# Altium PCB PCB2.PcbDoc (part 3 of 3)
Units mil, origin at the board's own origin, x right, y up, seen from the top; angles counter-clockwise.
Board outline 2125.98 x 2755.91 mil, 4 copper layers (Top Layer, Int1 (GND), Int2 (PWR), Bottom Layer), stack 53.912 mil thick; 200 components, 145 nets, 834 pads, 425 vias.
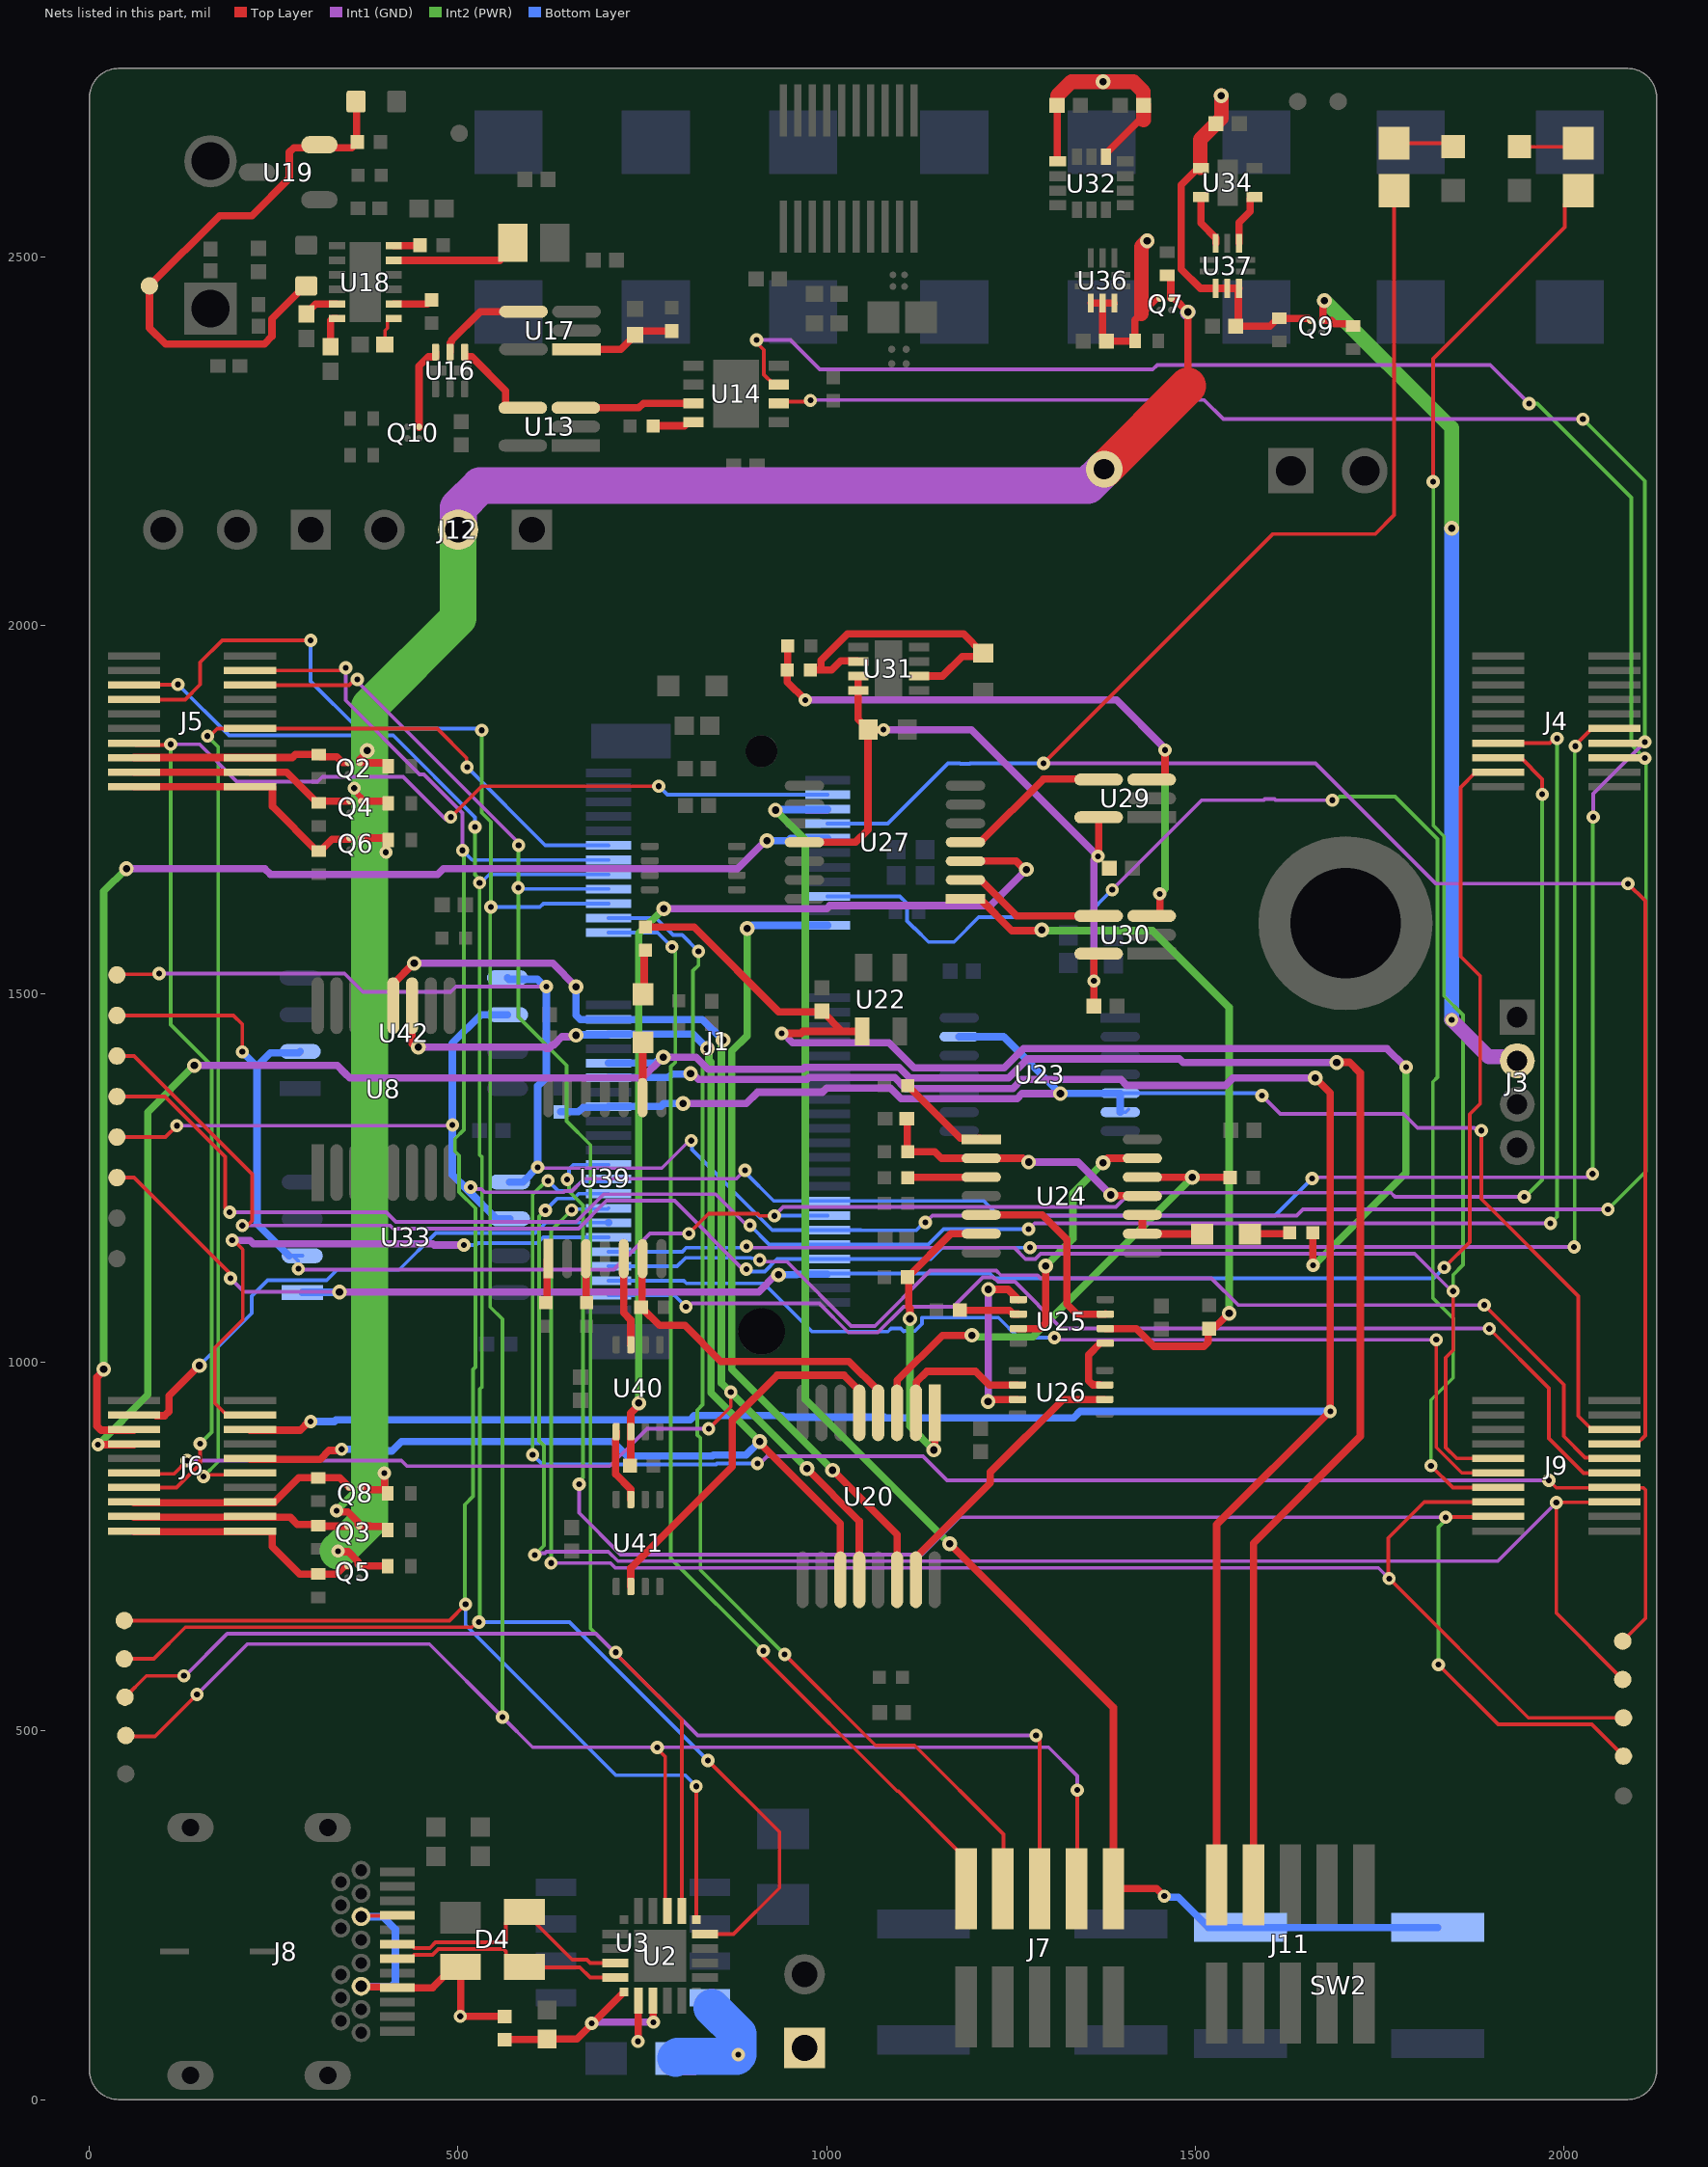
[diagram p5: the nets of this part, all layers, seen from the top]

## Via types
v1: diameter 18, hole 8, Top Layer to Bottom Layer, tented both sides, 280 vias
v2: diameter 20, hole 10, Top Layer to Bottom Layer, 89 vias
v3: diameter 18, hole 8, Top Layer to Bottom Layer, 39 vias
v4: diameter 50, hole 28, Top Layer to Bottom Layer, 6 vias
v5: diameter 90, hole 78.74, Top Layer to Bottom Layer, 4 vias
v6: diameter 19.68, hole 7.87, Top Layer to Bottom Layer, 4 vias
v7: diameter 23.62, hole 11.81, Top Layer to Bottom Layer, 2 vias
v8: diameter 30, hole 12, Top Layer to Bottom Layer, 1 vias

## Nets (pads, with @x,y where several pads share a name; then routed paths per layer and width w, separated by ;. In a path a pad name is that pad's centre, name@x,y a point inside that pad or via, vN(x,y) a via of type N, cw(c..) or ccw(c..) an arc to the next point about the centre after c; other vN are vias at no path point) (continued)
NetC48_1: C48.1 R39.1 U24.2 U24.11 | length 388.8
  Top Layer w10: C48.1@1108.9,1330.94 1109.37,1330.47 1109.37,1286.41 R39.1@1109.84,1285.94 1146.91,1285.94 1155.72,1277.13 U24.2@1209.83,1277.13 1266.21,1277.13 1271.39,1271.94 v2(1274.09,1271.94) ; v2(1385.59,1227.45) 1386.44,1226.6 1427.71,1226.6 U24.11@1428.36,1225.94
  Int1 (GND) w10: v2(1274.09,1271.94) 1341.09,1271.94 v2(1385.59,1227.45)
NetC56_1: C56.1 R40.2 U31.2 U31.6 | length 427.7
  Top Layer w10: R40.2@978.19,1939.5 992.42,1939.5 ; U31.6@1042.76,1951.1 1041.91,1951.94 1019.09,1951.94 1006.65,1939.5 992.42,1939.5 ; U31.2@1125.43,1931.42 1157.36,1931.42 1183.98,1958.03 1207.13,1958.03 1211.77,1962.68 1185.8,1988.65 1028.2,1988.65 992.42,1952.86 992.42,1939.5
NetD2_1: D2.1 U24.9 U24.10 | length 107
  Top Layer w10: U24.10@1428.36,1200.35 U24.9@1428.36,1174.76 1428.74,1174.38 1509.12,1174.38 D2.1@1509.5,1174
NetD2_2: D2.2 R28.2 | length 54.7
  Top Layer w10: D2.2@1574.5,1174 1575.47,1174.97 1627.37,1174.97 R28.2@1628.35,1175.94
NetD3_1: D3.1 U39.9 | length 75.3
  Top Layer w10: U39.9@750.28,1359.46 750.64,1359.83 750.64,1434.14 D3.1@751,1434.5
NetD3_2: D3.2 R29.2 | length 61.2
  Top Layer w10: D3.2@751,1499.5 752.55,1501.05 752.55,1557.9 R29.2@754.09,1559.45
NetD5_2: D5.2 R51.2 | length 81.9
  Top Layer w5: D5.2@1940,2649.53 2015.32,2649.53 R51.2@2020,2654.2
NetD6_2: D6.2 R52.2 | length 81.9
  Top Layer w5: R52.2@1770,2654.2 1845.32,2654.2 D6.2@1850,2649.53
NetL1_2: L1.2 U18.5 | length 174.8
  Top Layer w10: U18.5@412.59,2495.48 556.45,2495.48 574.11,2513.14 L1.2@574.11,2519.09
NetQ10_B2: Q10.B2 U16.3 | length 117.1
  Top Layer w10: Q10.B2@446.97,2268.82 446.97,2351.79 459.7,2364.53 469.33,2364.53 469.41,2364.61 U16.3@469.41,2370.94
NetR1_2: R1.2 R4.2 U2.6 U2.8 | length 306.1
  Top Layer w10: R4.2@563,81.17 563.57,81.74 620.43,81.74 R1.2@621,82.31 661.5,82.31 U2.6@724.94,145.76 ; U2.8@764.32,133.95 764.66,133.61 764.66,105.34 v3(765,105)
  Int1 (GND) w10: v3(681.25,103.41) 680,102.16 680,102 683,105 v3(765,105)
NetR12_2: R12.2 U14.8 | length 56.3
  Top Layer w10: R12.2@764.84,2270.94 807.2,2270.94 812.2,2275.94 U14.8@819.09,2275.94
NetR14_1: R14.1 R15.2 U17.1 | length 139.3
  Top Layer w10: U17.1@660.61,2374.76 720.62,2374.76 745.38,2399.52 R14.1@789.65,2399.52
NetR16_2: R16.2 R21.2 R22.2 U19.2 VREF_RAW.1 | length 764.9
  Top Layer w10: R16.2@294.09,2460.83 292.13,2460.83 247.4,2416.09 247.4,2392.17 237.17,2381.94 103.09,2381.94 81.21,2403.83 VREF_RAW.1@81.21,2460.83 176.33,2555.94 220.09,2555.94 271.02,2606.87 271.02,2642.05 277.31,2648.35 355.75,2648.35 363.26,2655.86 R21.2@363.26,2655.94 362.4,2656.81 362.4,2710.08 R22.2@361.54,2710.94
NetR17_2: R17.2 U18.2 | length 53.7
  Top Layer w10: U18.2@412.59,2436.41 458.64,2436.41 464.01,2441.78 R17.2@464.09,2441.78
NetR18_2: R18.2 U18.11 | length 47.8
  Top Layer w10: R18.2@294.09,2422.68 294.09,2423.66 306.84,2436.41 U18.11@335.59,2436.41
NetR19_2: R19.2 U18.6 | length 36
  Top Layer w10: U18.6@412.59,2515.17 447.49,2515.17 R19.2@448.26,2515.94
NetR20_2: R20.2 U18.1 | length 44.2
  Top Layer w5: R20.2@400.83,2380.94 400.83,2400.11 404.09,2403.38 404.09,2414.22 406.59,2416.72 U18.1@412.59,2416.72
NetR23_2: R23.2 U18.12 | length 45.6
  Top Layer w10: R23.2@326.97,2378.22 326.97,2414.09 329.59,2416.72 U18.12@335.59,2416.72
NetR32_2: R32.2 U20.3 U24.12 | length 679.5
  Top Layer w10: U20.3@1095.47,931.73 1095.78,932.04 1095.78,975.63 1157.09,1036.94 v2(1197.09,1036.94) ; U24.12@1428.36,1251.54 1428.66,1251.24 v2(1496.09,1251.24) 1547.13,1251.24 R32.2@1547.43,1250.94
  Int2 (PWR) w10: v2(1197.09,1036.94) 1199.01,1035.03 1206.08,1035.03 1206.17,1034.94 1279.8,1034.94 v2(1496.09,1251.24)
NetR33_2: R33.2 U20.1 U24.6 | length 424.6
  Top Layer w10: v2(1113.02,1059.25) 1113.02,1073.76 1111.47,1075.31 1111.47,1114.4 R33.2@1109.93,1115.94 1109.93,1116.03 1168.66,1174.76 U24.6@1209.83,1174.76 ; v2(1145.49,881.31) 1146.66,882.47 U20.1@1146.66,931.73
  Int2 (PWR) w10: v2(1113.02,1059.25) 1113.02,913.78 v2(1145.49,881.31)
NetR34_2: R34.2 U25.2 | length 81.4
  Top Layer w10: R34.2@1180.76,1070.94 1248.15,1070.94 1253.31,1065.79 U25.2@1260.04,1065.79
NetR35_1: R35.1 U24.3 | length 100.2
  Top Layer w10: R35.1@1109.84,1250.94 1110.14,1251.24 1209.53,1251.24 U24.3@1209.83,1251.54
NetR36_1: R36.1 U24.1 | length 130.3
  Top Layer w10: R36.1@1109.84,1375.94 1181.36,1304.42 1208.12,1304.42 U24.1@1209.83,1302.72
NetR37_2: R37.2 U25.6 U27.1 | length 1040.8
  Top Layer w10: U27.1@1188.36,1629.17 1208.34,1629.17 1251.56,1585.94 1291.09,1585.94 v2(1292.09,1586.94) ; U25.6@1378.15,1046.1 1419.99,1046.1 1444.15,1021.94 1511.65,1021.94 1517.51,1027.8 1517.51,1044.36 R37.2@1519.09,1045.94 1525.09,1045.94 v2(1546.09,1066.94)
  Int2 (PWR) w10: v2(1292.09,1586.94) 1293.09,1585.94 1442.09,1585.94 1546.09,1481.94 v2(1546.09,1066.94)
NetR42_2: R42.2 U20.4 U39.6 | length 464.2
  Top Layer w10: U39.6@750.28,1140.93 749.62,1140.28 749.62,1073.75 772.95,1050.42 807.62,1050.42 856.45,1001.59 1030.23,1001.59 1069.88,961.94 U20.4@1069.88,931.73
NetR43_2: R43.2 U27.3 U40.2 | length 1376.1
  Top Layer w10: R43.2@733.26,860.2 734.17,861.11 734.17,906.06 U40.2@734.25,906.14 734.25,931.26 745.23,942.24 v2(745.23,944.94) ; U27.3@1188.36,1680.35 1256.98,1680.35 1268.39,1668.94 v2(1271.09,1668.94)
  Int1 (GND) w10: v2(779.09,1615.94) 999.95,1615.94 1003.95,1619.94 1222.09,1619.94 v2(1271.09,1668.94)
  Int2 (PWR) w10: v2(745.23,944.94) 745.23,1582.08 v2(779.09,1615.94)
NetR44_1: R44.1 U39.3 | length 60.2
  Top Layer w10: U39.3@673.5,1140.93 673.8,1140.63 673.8,1081.24 R44.1@674.09,1080.94
NetR45_1: R45.1 U39.1 | length 61.3
  Top Layer w10: R45.1@619.09,1080.94 620.71,1082.56 620.71,1139.32 U39.1@622.32,1140.93
NetU13_3: U13.3 U14.7 | length 162
  Top Layer w10: U13.3@659.65,2295.35 745.16,2295.35 751.35,2301.54 U14.7@819.09,2301.54
NetU13_4: U13.4 U16.1 | length 125.8
  Top Layer w10: U16.1@508.78,2370.94 508.78,2364.61 508.86,2364.53 518.49,2364.53 564.48,2318.53 564.48,2298.29 567.42,2295.35 U13.4@587.72,2295.35
NetU16_2: U16.2 U17.4 | length 130.6
  Top Layer w10: U16.2@489.09,2370.94 489.09,2383.06 491.09,2385.06 491.09,2386.94 530.09,2425.94 U17.4@588.68,2425.94
NetU20_2: U20.2 U26.6 | length 193.2
  Top Layer w10: U20.2@1121.06,931.73 1121.97,932.64 1121.97,973.96 1135.95,987.94 1202.09,987.94 1220.44,969.6 U26.6@1259.13,969.6
NetU20_5: U20.5 U41.2 | length 519.2
  Top Layer w10: U41.2@734.25,696.14 734.17,696.22 734.17,721.02 872.09,858.94 872.09,921.96 932.86,982.73 1023.51,982.73 1044.29,961.94 U20.5@1044.29,931.73
NetU20_15: U20.15 U26.2 | length 383.9
  Top Layer w10: U20.15@1121.06,705.32 1123.21,707.47 1123.21,737.68 1221.86,836.33 1221.86,851.26 1320.52,949.91 U26.2@1377.24,949.91
NetU24_5: U24.5 U25.7 | length 275.5
  Top Layer w10: U24.5@1209.83,1200.35 1292.84,1200.35 1326.09,1167.1 1326.09,1079.47 1339.86,1065.71 1378.07,1065.71 U25.7@1378.15,1065.79
NetU24_13: U24.13 U25.3 | length 345.4
  Top Layer w10: U25.3@1260.04,1046.1 1289.24,1046.1 1297.09,1053.96 v2(1297.09,1130.94) ; v2(1375.09,1270.94) 1381.28,1277.13 U24.13@1428.36,1277.13
  Int2 (PWR) w10: v2(1297.09,1130.94) 1334.14,1167.99 1334.14,1229.99 v2(1375.09,1270.94)
NetU25_1: U25.1 U26.7 | length 240
  Top Layer w10: v2(1219.09,946.94) 1221.8,946.94 1224.77,949.91 U26.7@1259.13,949.91 ; v2(1219.55,1099.27) 1246.24,1099.27 U25.1@1260.04,1085.47
  Int1 (GND) w10: v2(1219.09,946.94) 1219.55,947.4 v2(1219.55,1099.27)
NetU25_5: U25.5 U26.3 | length 75
  Top Layer w10: U26.3@1370.43,969.68 1361.13,969.68 1355.27,975.53 1355.27,1010.27 U25.5@1371.34,1026.34
NetU27_2: U27.2 U30.4 | length 201
  Top Layer w10: U27.2@1188.36,1654.76 1208.89,1654.76 1257.71,1605.94 U30.4@1369.09,1605.94
NetU27_4: U27.4 U29.4 | length 216.8
  Top Layer w10: U27.4@1188.36,1705.94 1208.34,1705.94 1294.34,1791.94 1368.09,1791.94 U29.4@1369.09,1790.94
NetU39_5: U39.5 U40.7 | length 120.6
  Top Layer w10: U39.5@724.69,1140.93 724.69,1067.53 734.25,1057.96 U40.7@734.25,1024.25
NetU40_1: U40.1 U41.7 | length 100.9
  Top Layer w10: U40.1@714.57,906.14 714.57,899.41 714.49,899.33 714.49,897.44 713.49,896.44 713.49,848.73 734.25,827.96 U41.7@734.25,814.25
PCIF_D4: J1.18 J9.8 | length 1953.9
  Top Layer w5: v1(1820,860) 1849.53,830.47 J9.8@1911.26,830.47
  Int1 (GND) w5: v1(1387.52,1641.41) 1509.06,1762.94 1593.17,1762.94 1594.67,1764.44 1607.51,1764.44 1609.01,1762.94 v1(1686.09,1762.94)
  Int2 (PWR) w5: v1(1686.09,1762.94) 1691.09,1762.94 1696.09,1767.94 1771.01,1767.94 1828.7,1710.26 1828.7,1386.98 1822.59,1380.87 1822.59,1087.41 1850.09,1059.91 1850.09,979.16 1820,949.07 v1(1820,860)
  Bottom Layer w5: J1.18@1001.34,1632.63 1099.28,1632.63 1109,1622.92 1109,1599.16 1118.72,1589.44 1119.51,1589.44 1138.28,1570.68 1172.83,1570.68 1206.33,1604.18 1350.3,1604.18 v1(1387.52,1641.41)
PCIF_D5: J1.73 J9.9 | length 1570
  Top Layer w5: v1(1899.09,1045.94) 1980,965.04 1980,897.27 2027.11,850.16 J9.9@2068.74,850.16
  Int1 (GND) w5: v1(809.06,1075.75) 812.58,1075.75 816.91,1080.08 990.14,1080.08 1029.56,1040.66 1069.32,1040.66 1104.41,1075.75 1171.9,1075.75 1211.92,1115.77 1226.38,1115.77 1232.62,1109.52 1255.44,1109.52 1318.51,1046.44 1898.59,1046.44 v1(1899.09,1045.94)
  Bottom Layer w5: J1.73@704.09,1091.29 793.52,1091.29 v1(809.06,1075.75)
PCIF_D6: J1.71 J9.10 | length 1425.3
  Top Layer w5: v1(1827.09,1030.94) 1827.09,884.95 1861.74,850.31 1911.11,850.31 J9.10@1911.26,850.16
  Int1 (GND) w5: v1(1309.09,1033.94) 1312.09,1030.94 v1(1827.09,1030.94)
  Bottom Layer w5: J1.71@704.09,1110.98 806.32,1110.98 809.86,1107.44 914.59,1107.44 980.09,1041.94 1083.26,1041.94 1087.58,1046.26 1100.42,1046.26 1104.64,1042.04 1105.77,1043.17 1106.19,1042.75 1119.86,1042.75 1129.52,1052.42 1129.52,1060.94 1233.09,1060.94 1260.09,1033.94 v1(1309.09,1033.94)
PCIF_D7: J1.69 J9.11 | length 1586.7
  Top Layer w5: v1(1892.09,1077.94) 2000,970.04 2000,900 2028.97,871.03 2067.55,871.03 J9.11@2068.74,869.84
  Int1 (GND) w5: v1(909.22,1139.08) 909.22,1136.94 946,1136.94 1033.29,1049.66 1065.59,1049.66 1140.7,1124.77 1230.11,1124.77 1236.35,1118.52 1286.18,1118.52 1290.26,1114.44 1521.93,1114.44 1558.43,1077.94 v1(1892.09,1077.94)
  Bottom Layer w5: J1.69@704.09,1130.66 797.14,1130.66 808.62,1142.14 897.49,1142.14 898.22,1141.42 906.88,1141.42 v1(909.22,1139.08)
PCIF_D8: J1.67 J9.12 R51.1 | length 3072.8
  Top Layer w5: v3(1823,2195) 1823,2362 2001.59,2540.59 2001.59,2571.59 R51.1@2020,2590 ; v1(1850.09,1096.94) 1850.09,1016.76 1840,1006.67 1840,884.77 1854.93,869.84 J9.12@1911.26,869.84
  Int1 (GND) w5: v1(891.09,1157.64) 891.09,1155.94 1254.17,1155.94 1269.67,1140.44 1283.26,1140.44 1290.26,1147.44 1797.67,1147.44 1848.17,1096.94 v1(1850.09,1096.94)
  Int2 (PWR) w5: v3(1823,2195) 1823.15,2194.85 1823.15,1728.53 1837.7,1713.98 1837.7,1497.25 1863.59,1471.36 1863.59,1132.52 1850.09,1119.02 v1(1850.09,1096.94)
  Bottom Layer w5: J1.67@704.09,1150.35 804.1,1150.35 809.69,1155.94 891.09,1155.94 v1(891.09,1157.64)
PCIF_D9: J1.8 J9.13 R52.1 | length 3048.6
  Top Layer w5: v1(1294.09,1812.94) 1605.15,2124 1744,2124 1770,2150 R52.1@1770,2590 ; J9.13@2068.74,889.53 2099.25,889.53 2110.67,900.95 2110.67,1626.35 v1(2087.35,1649.67)
  Int1 (GND) w5: v1(1294.09,1812.94) 1663.32,1812.94 1826.59,1649.67 v1(2087.35,1649.67)
  Bottom Layer w5: J1.8@1001.34,1731.06 1082.88,1731.06 1164.76,1812.94 1180.78,1812.94 1181.35,1812.38 1194.19,1812.38 1194.76,1812.94 v1(1294.09,1812.94)
PCIF_HSYNC: J1.65 J6.4 | length 815.9
  Top Layer w5: v1(193.56,1165.82) 195.43,1165.82 207.93,1153.32 207.93,1057.93 170,1020 170,944.76 186.97,927.8 J6.4@217.48,927.8
  Int1 (GND) w10: v1(193.56,1165.82) 217.8,1165.82 222.56,1161.06 465.85,1161.06 467.47,1159.44 v1(508,1159.44)
  Bottom Layer w5: v1(508,1159.44) 524.5,1159.44 527,1161.94 607.36,1161.94 615.45,1170.03 J1.65@704.09,1170.03
PCIF_PCLK: J1.10 J6.5 | length 1800.1
  Top Layer w10: v2(19.09,990.94) 19.09,989.18 10,980.09 10,913.97 15.86,908.11 J6.5@60,908.11
  Int1 (GND) w10: v2(50,1670) 237.58,1670 245.58,1662 472,1662 479.95,1669.94 879.09,1669.94 917.03,1707.88 v2(919.16,1707.88)
  Int2 (PWR) w10: v2(19.09,990.94) 19.09,1639.09 v2(50,1670)
  Bottom Layer w10: v2(919.16,1707.88) 947.45,1707.88 950.94,1711.37 J1.10@1001.34,1711.37
PCIF_VSYNC: J1.63 J6.3 | length 748.2
  Top Layer w10: J6.3@90.43,927.87 102.02,927.87 107.87,933.73 107.87,954.72 v2(149.09,995.94)
  Bottom Layer w5: v2(149.09,995.94) 220,1066.85 220,1090 241.62,1111.62 321.62,1111.62 335.68,1125.68 419.83,1125.68 469.83,1175.68 604.83,1175.68 619.09,1189.94 J1.63@703.87,1189.94
  Bottom Layer w10: J1.63@703.87,1189.94 J1.63@704.09,1189.72
PDOWN: J1.11 J5.12 J6.12 | length 1704
  Top Layer w5: v1(154.65,845.35) 157.05,847.75 215.24,847.75 J6.12@217.01,849.53 ; v1(160,1850) 163.02,1850 173.18,1860.16 J5.12@217.74,1860.16 471.76,1860.16 511.52,1820.4 511.52,1808.45 v1(512.22,1807.75)
  Int2 (PWR) w5: v1(154.65,845.35) 174.59,865.3 174.59,1835.41 v1(160,1850)
  Bottom Layer w5: v1(512.22,1807.75) 618.03,1701.94 703.68,1701.94 J1.11@704.09,1701.53
PT0: J1.37 J6.10 U8.11 U20.11 | length 1986.7
  Top Layer w10: J6.10@217.48,868.74 313,868.74 325.05,880.79 340.47,880.79 v1(342,882.33) ; U8.11@437.48,1484.15 437.48,1432.56 442.09,1427.94 v2(446.09,1427.94) ; v2(909.09,892.94) 909.09,890.94 1018.7,781.34 U20.11@1018.7,705.32
  Int1 (GND) w10: v2(446.09,1427.94) 617.74,1427.94 619.77,1425.92 623,1425.92 628,1430.92 630,1430.92 641.21,1442.13 658.09,1442.13 v2(660,1444.04)
  Int2 (PWR) w10: v2(838.28,1425.94) 840.19,1424.03 840.19,1411.02 843.28,1407.93 843.28,958.76 v2(909.09,892.94)
  Bottom Layer w10: v1(342,882.33) 368.67,882.33 371,880 410,880 422.94,892.94 709.55,892.94 729.25,873.25 845.16,873.25 846.35,874.44 890.59,874.44 v2(909.09,892.94) ; v2(660,1444.04) 660.47,1444.51 667.22,1444.51 667.43,1444.72 703.19,1444.72 J1.37@704.09,1445.62 818.6,1445.62 v2(838.28,1425.94)
PT1: J1.35 J6.11 U8.12 U20.12 | length 2238.7
  Top Layer w5: J6.11@60,849.06 114.51,849.06 v1(132.28,866.83) ; v1(840,910) 870,940 v1(870,960)
  Top Layer w10: U8.12@411.89,1484.15 411.89,1513.72 439.79,1541.61 v2(440.42,1541.61) ; v2(973.19,856.17) 1044.29,785.07 U20.12@1044.29,705.32
  Int1 (GND) w5: v1(132.28,866.83) 423.17,866.83 430.56,859.44 705.79,859.44 756.35,910 v1(840,910)
  Int1 (GND) w10: v2(440.42,1541.61) 628.39,1541.61 659.95,1510.05 v2(659.95,1509.95)
  Int2 (PWR) w10: v2(859.33,1437.47) 857.42,1435.56 857.42,1428.48 857.28,1428.35 857.28,972.08 v2(973.19,856.17)
  Bottom Layer w10: v2(659.95,1509.95) 659.95,1471.17 665.8,1465.31 831.49,1465.31 v2(859.33,1437.47)
QSPI0_MISO: J1.62 J4.6 QSPI0_MISO.1 U33.2 U42.2 | length 3064.2
  Top Layer w5: QSPI0_MISO.1@37.09,1470.94 195.16,1470.94 207.21,1458.89 v1(207.21,1421.61) ; v1(813.09,1174.94) 839.89,1201.74 906.21,1201.74 909.01,1198.94 v1(929.09,1198.94) ; J4.6@1911.26,1820.79 1941.77,1820.79 1970.95,1791.61 v1(1970.95,1770.93) v1@1973.97,1773.94
  Int1 (GND) w5: v1(283.21,1127.12) 284.39,1125.94 711.36,1125.94 760.36,1174.94 v1(813.09,1174.94) ; v1(929.09,1198.94) 941.1,1210.95 1392.42,1210.95 1411.91,1230.44 1765.62,1230.44 1771.18,1224.88 v1(1946.64,1224.88)
  Int2 (PWR) w5: v1(1946.64,1224.88) 1948.03,1224.88 1970.95,1247.8 v1(1970.95,1770.93)
  Bottom Layer w5: v1(283.21,1127.12) 283.21,1137.77 276.08,1144.9 270.89,1144.9 U33.2@288.61,1144.9 ; v1(929.09,1198.94) 929.4,1199.25 1001.03,1199.25 J1.62@1001.34,1199.56
  Bottom Layer w10: v1(207.21,1421.61) 226.74,1402.09 227.09,1402.09 ; U33.2@270.89,1144.9 227.09,1188.7 227.09,1402.09 ; U42.2@285.78,1421.94 283.78,1419.95 244.95,1419.95 227.09,1402.09
QSPI0_MOSI: J1.64 J4.5 QSPI0_MOSI.1 U14.3 U33.5 U42.5 | length 4840
  Top Layer w5: QSPI0_MOSI.1@37.09,1525.94 38,1526.85 93.6,1526.85 v1(94.5,1527.75) ; v1(905.09,2387.43) 905.09,2383.91 914.96,2374.05 914.96,2340.52 928.35,2327.13 U14.3@935.24,2327.13
  Int1 (GND) w5: v1(94.5,1527.75) 345.88,1527.75 370.69,1502.94 489.93,1502.94 496.98,1510 v1(619.74,1510) ; v1(608,1265) 609.2,1263.8 776.37,1263.8 813.62,1301.05 v1(816.28,1301.05) ; v1(905.09,2387.43) 950.61,2387.43 990.59,2347.44 1442.41,2347.44 1448.59,2353.63 1900.41,2353.63 v1(1953.09,2300.94) ; v1(1133.99,1190.17) 1134.14,1190.17 1143.42,1199.44 1637.59,1199.44 1646.09,1207.94 v1(2060.09,1207.94)
  Int2 (PWR) w5: v1(1953.09,2300.94) 1964.09,2300.94 2091.59,2173.44 2091.59,1838.41 2111.83,1818.17 2111.83,1259.68 v1(2060.09,1207.94)
  Bottom Layer w5: v1(816.28,1301.05) 817.34,1299.98 817.34,1288.78 926.24,1179.87 1046.22,1179.87 1046.65,1179.44 1121.38,1179.44 1132.11,1190.17 v1(1133.99,1190.17)